# Altium PCB Cell Characterization Board V1.1.PcbDoc (part 1 of 2) (continued)
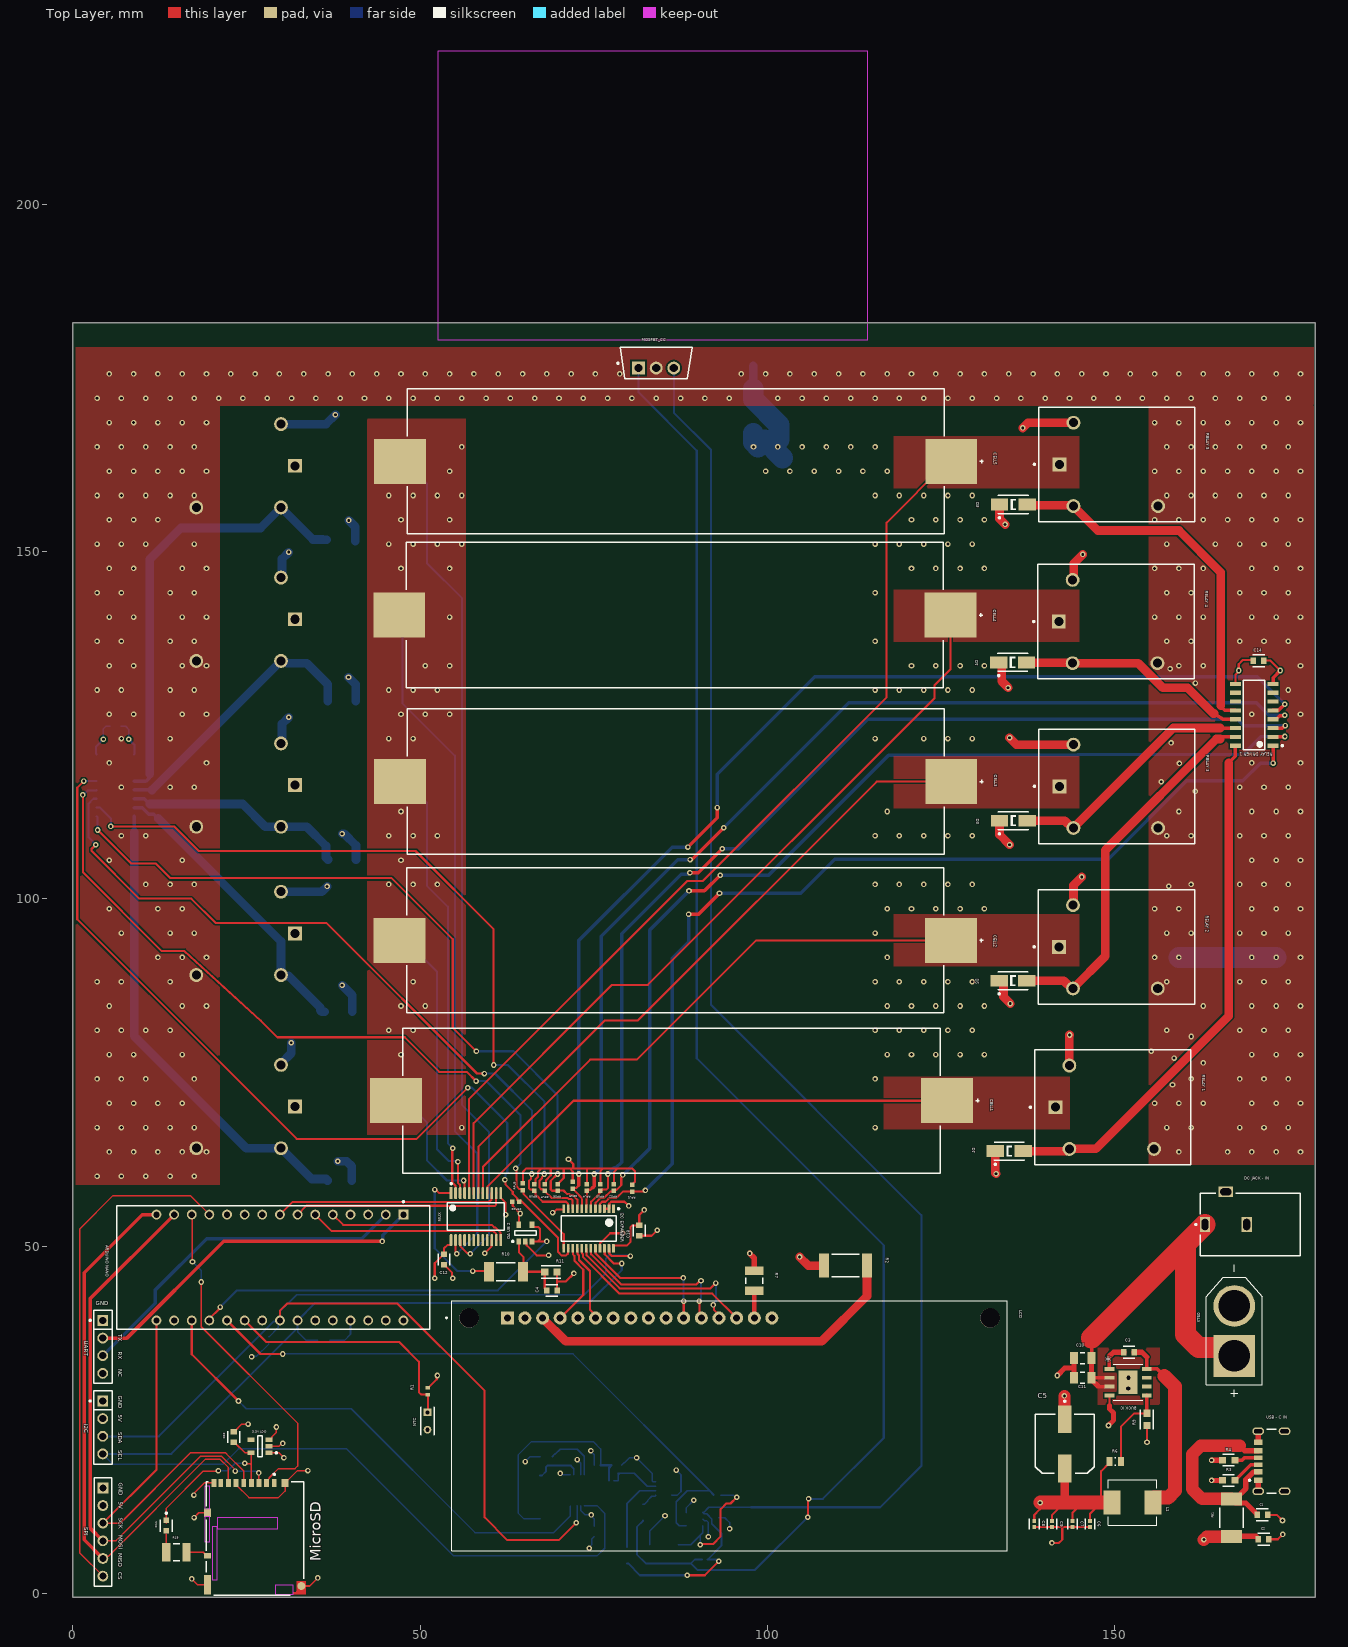
[diagram p0: Top Layer view]
## Components (designator, comment, footprint, x,y, rotation, side; value= is the part's Value field where it differs from the comment) (continued)
NTC "NXRT15XH103FA1B030" FP-NXR_151B030-MFG 51.079,24.816 r270 top
"OA CC SINK" "TLV9162IDDFR" SOT65P280X110-8N 85.097,15.091 r0 bottom
"OA I_SENSE" "MCP6001UT-E/OT" SOT-23-OT5_L 89.506,10.697 r180 bottom
"OA UB 1" "TLV9162IDDFR" SOT65P280X110-8N 78.185,15.091 r90 bottom
"OA UB 2" "MCP6001UT-E/OT" SOT-23-OT5_L 65.171,51.879 r90 top
R1 "2K2 5% 0402(1005)" RESC0402(1005)_N 51.13,29.108 r90 top value="2200.00 Ohm"
R2 "1K3 5% 2512(6432)" RESC2512(6432)_M 111.252,47.193 r0 top value="1300.00 Ohm"
R3 "CPF0603B10K7E" FP-CPF0603-MFG 166.424,16.272 r0 top value=10.7KΩ
R4 "CPF0603B10K7E" FP-CPF0603-MFG 166.424,19.172 r0 top value=10.7KΩ
R5 "Resistor 4k7 +/-1% 0402 100 mW" RESC1005X40X25ML05T05 28.245,36.424 r270 bottom value=4.7k
R6 "523K 1% 0805(2012)" RESC0805(2012)_L 150.098,19.004 r180 top value="523000.00 Ohm"
R7 "CRCW1210220RJNTA" RESC3225X60X45NL20T20 98.124,45.009 r270 top
R8 "Resistor 4k7 +/-1% 0402 100 mW" RESC1005X40X25ML05T05 36.144,36.424 r0 bottom value=4.7k
R9 "AC0603JR-7W10KL" FP-AC0603-IPC_A 154.633,25.047 r90 top
R10 "7K5 1% 2010(5025)" RESC2010(5025)_M 62.357,46.304 r180 top value="7500.00 Ohm"
R11 "AC0603JR-7W10KL" FP-AC0603-IPC_A 68.838,46.264 r180 top
R12 "AC0603JR-7W10KL" FP-AC0603-IPC_A 68.152,19.689 r0 bottom
R13 "RNCP1206FTD100R" FP-RNCP1206-IPC_C 82.118,11.659 r270 bottom
R14 "CRCW251218K0FKEG" FP-CRCW2512-e3-MFG 67.275,13.871 r90 bottom
R15 "RNCP1206FTD100R" FP-RNCP1206-IPC_C 79.786,5.491 r270 bottom
R16 "10K2 1% 0402(1005)" RESC0402(1005)_N 92.79,14.152 r180 bottom value="10200.00 Ohm"
R17 "RN73R1ETTP2001F25" FP-RN73R1E-IPC_B 75.536,18.444 r0 bottom
R18 "1K2 1% 1812(4532)" RESC1812(4532)_L 85.097,6.985 r0 bottom value="1200.00 Ohm"
R19 "120" RESC3225X60X45NL20T20 14.933,5.918 r180 top
"RELAY 1" "G5LE-1A DC5" FP-G5LE-1A_DC5-MFG 149.73,69.994 r0 top
"RELAY 2" "G5LE-1A DC5" FP-G5LE-1A_DC5-MFG 150.263,93.082 r0 top
"RELAY 3" "G5LE-1A DC5" FP-G5LE-1A_DC5-MFG 150.314,116.192 r0 top
"RELAY 4" "G5LE-1A DC5" FP-G5LE-1A_DC5-MFG 150.212,139.92 r0 top
"RELAY 5" "G5LE-1A DC5" FP-G5LE-1A_DC5-MFG 150.314,162.543 r0 top
"RELAY 6" "G5LE-1A DC5" FP-G5LE-1A_DC5-MFG 23.739,70.093 r180 bottom
"RELAY 7" "G5LE-1A DC5" FP-G5LE-1A_DC5-MFG 23.739,95.021 r180 bottom
"RELAY 8" "G5LE-1A DC5" FP-G5LE-1A_DC5-MFG 23.739,116.373 r180 bottom
"RELAY 9" "G5LE-1A DC5" FP-G5LE-1A_DC5-MFG 23.739,140.248 r180 bottom
"RELAY 10" "G5LE-1A DC5" FP-G5LE-1A_DC5-MFG 23.739,162.342 r180 bottom
"RELAY DRIVER 1" "ULN2003V12DR" FP-D0016A-MFG 170.096,126.492 r180 top
"RELAY DRIVER 2" "ULN2003V12DR" FP-D0016A-MFG 6.147,116.307 r0 bottom
RPU1 "Resistor 4k7 +/-1% 0402 100 mW" RESC1005X40X25ML05T05 80.522,58.347 r90 top value=4.7k
RPU2 "Resistor 4k7 +/-1% 0402 100 mW" RESC1005X40X25ML05T05 77.9,58.437 r90 top value=4.7k
RPU3 "Resistor 4k7 +/-1% 0402 100 mW" RESC1005X40X25ML05T05 75.961,58.437 r90 top value=4.7k
RPU4 "Resistor 4k7 +/-1% 0402 100 mW" RESC1005X40X25ML05T05 74.031,58.437 r90 top value=4.7k
RPU5 "Resistor 4k7 +/-1% 0402 100 mW" RESC1005X40X25ML05T05 71.986,58.738 r90 top value=4.7k
RPU6 "Resistor 4k7 +/-1% 0402 100 mW" RESC1005X40X25ML05T05 69.8,58.437 r90 top value=4.7k
RPU7 "Resistor 4k7 +/-1% 0402 100 mW" RESC1005X40X25ML05T05 67.962,58.437 r90 top value=4.7k
RPU8 "Resistor 4k7 +/-1% 0402 100 mW" RESC1005X40X25ML05T05 66.446,58.437 r270 top value=4.7k
RPU9 "Resistor 4k7 +/-1% 0402 100 mW" RESC1005X40X25ML05T05 64.821,58.527 r270 top value=4.7k
RPU10 "Resistor 4k7 +/-1% 0402 100 mW" RESC1005X40X25ML05T05 63.765,56.382 r0 top value=4.7k
SHUNT "CRA2512-FZ-R050ELF" FP-CRA2512-IPC_A 94.996,176.733 r0 bottom
SPI "TSW-106-07-G-S" SMTC-TSW-106-07-X-S 4.343,15.186 r270 top
UART "TSW-104-23-T-S" FP-TSW-104-23-T-S-MFG 4.328,35.495 r270 top
"USB - C IN" "USB4125-GF-A-0190" FP-USB4125-GF-A-0190-MFG 173.674,19.022 r90 top
XT60 "XT60-M" AMASS_XT60-M 167.24,37.785 r90 top

## Footprints (in the part's own frame and the unit in brackets; to place one, negate y for a bottom-side part, rotate by r counter-clockwise, add the part's x,y. Pads: shape width x height; smd on the part's side, far side on the other; paste and mask are expansions set on the pad)
AMASS_XT60-M [mm]
  round 6 hole 4.55: N(3.6,0)
  rect 6x6 / inner round 6 / far side rect 6x6 hole 4.55: P(-3.6,0)
  silkscreen extent -9.5,-4.05 9.5,4.05, body extent -7.75,-4.05 7.75,4.05, height 16
CUI-PJ-102BH_V [mm] "THD, 3-Leads, Body 14.4x9mm, Height 11mm"
  rect 1.5x2.1 hole 1 slot 1.6 at 90 deg: 1(-3,0) 2(3,0)
  rect 2.1x1.5 hole 1 slot 1.6 at 0 deg: 3(0,4.7)
  silkscreen extent -4.42,-4.5 10.7,4.5, body extent -3.7,-4.5 10.7,4.9, height 11
DGS10_TEX [mil]
  rect 52.5x11 smd paste+0 mask+0: 1(-87.25,39.37) 2(-87.25,19.69) 3(-87.25,0) 4(-87.25,-19.68) 5(-87.25,-39.37) 6(87.25,-39.37) 7(87.25,-19.68) 8(87.25,0) 9(87.25,19.69) 10(87.25,39.37)
  silkscreen extent -66,-66 134,66, body extent -99,-61 99,61, height 43
DIOD-S1M-13-F-SMA-2_V [mm] "SMD, 2-Leads, Body 4.3x2.605mm, Height 2.3mm"
  rect 2.5x1.7 smd: 1(-2,0) 2(2,0)
  silkscreen extent -2.15,-1.3 2.15,2.03, body extent -2.15,-1.3 2.15,1.3, height 2.3
FP-1042P-MFG [mil]
  rect 294x255 smd paste+0 mask+0: 1(-1562.5,0) 2(1562.5,0)
  silkscreen extent -1522,-412 1745,412, body extent -1693,-407 1693,406, height 595
FP-A000005-MFG [mil]
  rect 55.67x55.67 hole 35.98 paste-99999 mask+0: 1(-300,737.5)
  round 55.67 hole 35.98 paste-99999 mask+0: 2(-300,637.5) 3(-300,537.5) 4(-300,437.5) 5(-300,337.5) 6(-300,237.5) 7(-300,137.5) 8(-300,37.5) 9(-300,-62.5) 10(-300,-162.5) 11(-300,-262.5) 12(-300,-362.5) 13(-300,-462.5) 14(-300,-562.5) 15(-300,-662.5) 16(300,-662.5) 17(300,-562.5) 18(300,-462.5) 19(300,-362.5) 20(300,-262.5) 21(300,-162.5) 22(300,-62.5) 23(300,37.5) 24(300,137.5) 25(300,237.5) 26(300,337.5) 27(300,437.5) 28(300,537.5) 29(300,637.5) 30(300,737.5)
  silkscreen extent -379,-888 350,888, body extent -354,-891 354,891, height 10
FP-AC0603-IPC_A [mm]
  rect 1.059x1.012 smd paste+0 mask+0: 1(-0.877,0) 2(0.877,0)
  silkscreen extent -1.41,-0.91 1.41,0.91, body extent -1.91,-1.01 1.91,1.01, height 0.25
FP-C0402-BB-MFG [mm]
  rect 0.52x0.52 smd paste+0 mask+0: 1(-0.4,0) 2(0.4,0)
  silkscreen extent -0.5,-0.64 0.5,0.64, body extent -0.5,-0.25 0.5,0.25, height 0.55
FP-CC0603-DA-MFG [mm]
  rect 0.8x0.9 smd paste+0 mask+0: 1(-0.75,0) 2(0.75,0)
  silkscreen extent -0.85,-0.85 0.85,0.85, body extent -1.35,-0.75 1.35,0.75, height 0.25
FP-CL31-IPC_C [mm]
  rect 1.154x1.706 smd paste+0 mask+0: 1(-1.276,0) 2(1.276,0)
  silkscreen extent -0.32,-0.8 0.32,0.8, body extent -1.95,-1 1.95,1, height 0.25
FP-CPF0603-MFG [mm]
  rect 1x0.9 smd paste+0 mask+0: 1(-0.9,0) 2(0.9,0)
  silkscreen extent -0.82,-0.82 0.82,0.82, body extent -1.5,-0.55 1.5,0.55, height 0.25
FP-CRA2512-IPC_A [mm]
  rect 1.756x3.506 smd paste+0 mask+0: 1(-2.975,0) 2(2.975,0)
  silkscreen extent -1.8,-1.75 1.8,1.75, body extent -3.2,-1.6 3.2,1.6, height 0.9
FP-CRCW2512-e3-MFG [mm]
  rect 1.45x3.5 smd paste+0 mask+0: 1(-3.1,0) 2(3.1,0)
  silkscreen extent -2,-1.65 2,1.65, body extent -3.15,-1.58 3.15,1.58, height 0.7
FP-D0016A-MFG [mm]
  rect 1.55x0.6 smd paste-1000 mask+0: 1(-2.7,4.445) 2(-2.7,3.175) 3(-2.7,1.905) 4(-2.7,0.635) 5(-2.7,-0.635) 6(-2.7,-1.905) 7(-2.7,-3.175) 8(-2.7,-4.445) 9(2.7,-4.445) 10(2.7,-3.175) 11(2.7,-1.905) 12(2.7,-0.635) 13(2.7,0.635) 14(2.7,1.905) 15(2.7,3.175) 16(2.7,4.445)
  silkscreen extent -4.18,-5 1.55,5, body extent -3.57,-5.25 3.57,5.25, height 0.25
FP-DB0024A-IPC_C [mm]
  rect 1.753x0.415 smd paste+0 mask+0: 1(-3.375,-3.575)
  rrect100% 1.753x0.415 smd paste+0 mask+0: 2(-3.375,-2.925) 3(-3.375,-2.275) 4(-3.375,-1.625) 5(-3.375,-0.975) 6(-3.375,-0.325) 7(-3.375,0.325) 8(-3.375,0.975) 9(-3.375,1.625) 10(-3.375,2.275) 11(-3.375,2.925) 12(-3.375,3.575) 13(3.375,3.575) 14(3.375,2.925) 15(3.375,2.275) 16(3.375,1.625) 17(3.375,0.975) 18(3.375,0.325) 19(3.375,-0.325) 20(3.375,-0.975) 21(3.375,-1.625) 22(3.375,-2.275) 23(3.375,-2.925) 24(3.375,-3.575)
  silkscreen extent -4.88,-4.1 2,4.1, body extent -3.9,-4.1 3.9,4.1, height 2
FP-DM3AT-SF-PEJM5_40-MFG [mm]
  rect 0.7x1.2 smd paste+0 mask+0: 1(2.775,7.975) 2(1.675,7.975) 3(0.575,7.975) 4(-0.525,7.975) 5(-1.625,7.975) 6(-2.725,7.975) 7(-3.825,7.975) 8(-4.925,7.975) 9(-5.875,7.975)
  rect 1x0.8 smd paste+0 mask+0: 10(-6.825,-2.525)
  rect 1x1.2 smd paste+0 mask+0: 11(4.325,7.975) 12(-6.825,3.675)
  rect 1x2.8 smd paste+0 mask+0: 13(-6.825,-6.675)
  round 1.145 smd paste+0 mask+0: 14(6.689,-6.861)
  Top Layer region: 6.025,-6.175 7.325,-6.175 7.325,-8.075 5.475,-8.075 5.475,-7.725 5.875,-7.725 6.025,-7.575 6.025,-6.175
  Keep-Out Layer region: -7.225,4.275 -6.475,4.275 -6.475,7.525 -7.225,7.525
  Keep-Out Layer region: -7.225,-0.525 -6.475,-0.525 -6.475,3.075 -7.225,3.075
  Keep-Out Layer region: -6.125,-5.925 -5.425,-5.925 -5.425,1.675 -6.125,1.675
  Keep-Out Layer region: -5.425,1.375 3.275,1.375 3.275,2.975 -5.425,2.975
  Keep-Out Layer region: 2.925,-8.075 5.475,-8.075 5.475,-6.725 2.925,-6.725
  silkscreen extent -7.02,-8.18 7.02,9.35, body extent -7.42,-8.27 7.42,8.67, height 0.25
FP-FTF-MFG [mm]
  rect 4x2 smd paste+0 mask+0: 1(-3.55,0) 2(3.55,0)
  silkscreen extent -6.27,-4.25 4.25,4.25, body extent -5.8,-4.5 5.8,4.5, height 0.25
FP-G5LE-1A_DC5-MFG [mm]
  rect 2x2 hole 1.3 paste-2539.97 mask+0: 1(-8.25,0)
  round 2 hole 1.3 paste-2539.97 mask+0: 2(-6.25,-6) 3(5.95,-6) 5(-6.25,6)
  silkscreen extent -11.97,-8.25 11.25,8.25, body extent -10.8,-7.8 10.8,7.8, height 19
FP-GRM155-0_1-IPC_B [mm]
  rect 0.615x0.572 smd paste+0 mask+0: 1(-0.429,0) 2(0.429,0)
  silkscreen extent -0.74,-0.69 0.74,0.69, body extent -0.89,-0.44 0.89,0.44, height 0.25
FP-LTST-C190GKT-MFG [mm]
  rect 0.8x0.8 smd paste+0 mask+0: 1(-0.75,0) 2(0.75,0)
  silkscreen extent -1.92,-0.85 0.85,0.85, body extent -1.25,-0.55 1.25,0.55, height 0.25
FP-NXR_151B030-MFG [mm]
  rect 1.1x1.1 hole 0.6 paste-2539.97 mask+0: 1(-1.25,0)
  round 1.1 hole 0.6 paste-2539.97 mask+0: 2(1.25,0)
  silkscreen extent -2,-1 2,1, body extent -2.1,-1.1 2.1,1.1, height 0.25
FP-PG-TO220-3-MFG [mm]
  rect 1.85x1.85 hole 1.2 paste-2539.97 mask+0: 1(-0.705,2.54)
  round 1.85 hole 1.2 paste-2539.97 mask+0: 2(-0.705,0) 3(-0.705,-2.54)
  silkscreen extent -2.27,-5.2 2.27,5.62, body extent -2.37,-5.55 2.37,5.55, height 0.25
FP-RN73R1E-IPC_B [mm]
  rect 0.588x0.572 smd paste+0 mask+0: 1(-0.464,0) 2(0.464,0)
  silkscreen extent -0.76,-0.69 0.76,0.69, body extent -0.5,-0.25 0.5,0.25, height 0.4
FP-RNCP1206-IPC_C [mm]
  rect 1.254x1.606 smd paste+0 mask+0: 1(-1.176,0) 2(1.176,0)
  silkscreen extent -0.25,-0.85 0.25,0.85, body extent -1.55,-0.75 1.55,0.75, height 0.65
FP-SOT23-5LD-PL-1-MFG [mm]
  rect 1x0.66 smd paste+0 mask+0: 1(-1.3,0.95) 2(-1.3,0) 3(-1.3,-0.95) 4(1.3,-0.95) 5(1.3,0.95)
  silkscreen extent -2.48,-1.5 0.35,1.5, body extent -1.9,-1.6 1.9,1.6, height 0.25
FP-TSW-104-23-T-S-MFG [mm]
  rect 1.57x1.57 hole 1.02 paste-2539.97 mask+0: 1(-3.81,0)
  round 1.57 hole 1.02 paste-2539.97 mask+0: 2(-1.27,0) 3(1.27,0) 4(3.81,0)
  silkscreen extent -5.27,-1.95 5.27,1.34, body extent -5.37,-1.44 5.37,1.44, height 0.25
FP-USB4125-GF-A-0190-MFG [mm]
  rrect100% 1.1x1.7 hole 1.2 slot 0.6 at 0 deg paste-2539.97 mask+0: 1(-4.32,3) 2(4.32,3) 3(-4.32,-0.8) 4(4.32,-0.8)
  rect 0.7x1.2 smd paste+0 mask+0: A5(-0.5,3) B5(0.5,3)
  rect 0.76x1.2 smd paste+0 mask+0: A9(1.52,3) B9(-1.52,3)
  rect 0.8x1.2 smd paste+0 mask+0: A12(2.75,3) B12(-2.75,3)
  silkscreen extent -4.59,0.43 4.59,4.37, body extent -4.97,-3.57 4.97,3.95, height 0.25
IND_MGAH06036R8M-10 [mm]
  rect 2.45x3.5 smd: 1(-2.925,0) 2(2.925,0)
  silkscreen extent -3.5,-3.3 3.5,3.3, body extent -3.5,-3.3 3.5,3.3, height 3.1
MODULE_LCD-16X2 [mil]
  rect 74x74 / inner round 74 / far side rect 74x74 hole 40: 1(-1259.84,610.24)
  round 74 hole 40: 2(-1159.84,610.24) 3(-1059.84,610.24) 4(-959.84,610.24) 5(-859.84,610.24) 6(-759.84,610.24) 7(-659.84,610.24) 8(-559.84,610.24) 9(-459.84,610.24) 10(-359.84,610.24) 11(-259.84,610.24) 12(-159.84,610.24) 13(-59.84,610.24) 14(40.16,610.24) 15(140.16,610.24) 16(240.16,610.24)
  round 110.24 hole 110.24 unplated: ""(-1476.38,610.24) ""(1476.38,610.24)
  silkscreen extent -1608,-709 1575,709, body extent -1575,-709 1575,709, height 402
PW0024A_L [mm] "SOP, 24-Leads, Body 7.9x4.5mm, Pitch 0.65mm, IPC High Density"
  rrect25% 1.2x0.4 smd: 1(-2.85,3.575) 2(-2.85,2.925) 3(-2.85,2.275) 4(-2.85,1.625) 5(-2.85,0.975) 6(-2.85,0.325) 7(-2.85,-0.325) 8(-2.85,-0.975) 9(-2.85,-1.625) 10(-2.85,-2.275) 11(-2.85,-2.925) 12(-2.85,-3.575) 13(2.85,-3.575) 14(2.85,-2.925) 15(2.85,-2.275) 16(2.85,-1.625) 17(2.85,-0.975) 18(2.85,-0.325) 19(2.85,0.325) 20(2.85,0.975) 21(2.85,1.625) 22(2.85,2.275) 23(2.85,2.925) 24(2.85,3.575)
  silkscreen extent -2.97,-3.95 1.85,4.45, body extent -3.21,-3.9 3.21,3.9, height 1
RESC0402(1005)_N [mm] "Chip Resistor, Body 1.0x0.5mm, IPC Medium Density"
  rect 0.55x0.65 smd: 1(-0.5,0) 2(0.5,0)
  body extent -0.52,-0.27 0.53,0.28, height 0.4
RESC0805(2012)_L [mm] "Chip Resistor, Body 2.0x1.3mm, IPC High Density"
  rect 0.85x1.3 smd: 1(-0.85,0) 2(0.85,0)
  silkscreen extent -0.05,-0.55 0.05,0.55, body extent -1.1,-0.67 1.1,0.68, height 0.7
RESC1005X40X25ML05T05 [mm] "Chip Resistor, 2-Leads, Body 1.05x0.55mm, IPC Low Density"
  rect 0.65x0.65 smd: 1(-0.5,0) 2(0.5,0)
  body extent -0.53,-0.28 0.53,0.28, height 0.4
RESC1812(4532)_L [mm] "Chip Resistor, Body 4.5x3.2mm, IPC High Density"
  rect 0.95x3.3 smd: 1(-2.05,0) 2(2.05,0)
  silkscreen extent -1.2,-1.55 1.2,1.55, body extent -2.35,-1.7 2.35,1.7, height 0.71
RESC2010(5025)_M [mm] "Chip Resistor, Body 5.0x2.5mm, IPC Low Density"
  rect 1.45x2.8 smd: 1(-2.45,0) 2(2.45,0)
  silkscreen extent -1.35,-1.3 1.35,1.3, body extent -2.6,-1.35 2.6,1.35, height 0.71
RESC2512(6432)_M [mm] "Chip Resistor, Body 6.4x3.2mm, IPC Low Density"
  rect 1.45x3.45 smd: 1(-3.1,0) 2(3.1,0)
  silkscreen extent -2,-1.63 2,1.63, body extent -3.25,-1.7 3.25,1.7, height 0.75
RESC3225X60X45NL20T20 [mm] "Chip Resistor, 2-Leads, Body 3.20x2.50mm, IPC Medium Density"
  rect 1.2x2.7 smd: 1(-1.45,0) 2(1.45,0)
  silkscreen extent -0.45,-1.25 0.45,1.25, body extent -1.7,-1.35 1.7,1.35, height 0.6
SMTC-TSW-106-07-X-S [mm] ".025 SQ Post Terminal Strip Assembly, 1x6 Pins, Vertical, 2.54mm Pitch, Male"
  rect 1.55x1.55 hole 1.02: 1(0,0)
  round 1.55 hole 1.02: 2(2.54,0) 3(5.08,0) 4(7.62,0) 5(10.16,0) 6(12.7,0)
  silkscreen extent -1.46,-1.27 14.16,1.27, body extent -1.27,-1.24 13.97,1.3, height 8.38
SO-8EP_DIO [mil]
  rect 56x22 smd paste+0 mask+0: 1(-106,75) 2(-106,25) 3(-106,-25) 4(-106,-75) 5(106,-75) 6(106,-25) 7(106,25) 8(106,75)
  rect 107x132 smd paste-65.5 mask+0: 9(0,0)
  silkscreen extent -83,-102 83,102, body extent -120,-97 120,97, height 64
SOT65P280X110-8N [mm]
  rrect15% 1.37x0.49 smd mask+0: 1(-1.15,0.975) 2(-1.15,0.325) 3(-1.15,-0.325) 4(-1.15,-0.975) 5(1.15,-0.975) 6(1.15,-0.325) 7(1.15,0.325) 8(1.15,0.975)
  silkscreen extent -2.6,-1.54 0.8,1.54, body extent -1.4,-1.45 1.4,1.45, height 1.1
SOT-23-OT5_L [mm] "SOT23, 5-Leads, Body 2.9x1.7mm, Pitch 0.95mm, Lead Span 2.8mm, IPC High Density"
  rect 0.9x0.65 smd: 1(-1.2,0.95) 2(-1.2,0) 3(-1.2,-0.95) 4(1.2,-0.95) 5(1.2,0.95)
  silkscreen extent -1.33,-1.55 0.35,1.95, body extent -0.9,-1.55 0.9,1.55, height 1.45
WE-CBF_1812_L4.5W3.2H1.5_HC [mm] "SMD EMI Suppression Ferrite  Bead, body 4.50x3.20mm"
  rect 1.9x3 smd: 1(-2.7,0) 2(2.7,0)
  silkscreen extent -1.45,-1.7 1.45,1.7, body extent -2.25,-1.6 2.25,1.6, height 1.5

## Part data
"3.3V LDO": library part CMP-2000-07604-2, "IC REG LINEAR 3.3V 300MA SOT23-5", Case/Package=SOT-23-5, Dropout Voltage=380mV, Max Input Voltage=5.5V, Max Operating Temperature=125°C, Max Output Current=300mA, Min Input Voltage=2.5V, Min Operating Temperature=-40°C, Nominal Output Voltage=3.3V, Operating Supply Current=42uA, Power Supply Rejection Ratio (PSRR)=60dB, Quiescent Current=38uA, Accuracy=3%, Height=1.1mm, Length=2.9mm, Mount="Surface Mount", Number Of Outputs=1, Number of Pins=5, Output Current=300mA, Output Type=Fixed, Output Voltage=3.3V, Packaging="Tape and Reel", REACH SVHC="No SVHC", Width=1.6mm
"ARDUINO NANO": library part CMP-189986-000002-1, "ARDUINO NANO ATMEGA328 EVAL BRD", Operating Supply Voltage=12V, Package Quantity=50, Core Architecture=AVR, Data Bus Width=8b, Evaluation Kit=Yes, Height=0.25inch, Interface=I2C, Length=7inch, Number of Bits=8, Packaging=Bulk, REACH SVHC="No SVHC", Series="AVR® ATmega", Weight=0.358383oz, Width=5inch
"BUCK IC": "Description", Manufacturer_Name="Diodes Inc", Copyright="Copyright (C) 2025 Ultra Librarian. All rights reserved.", Manufacturer_Part_Number=AP64502QSP-13, RefDes=RefDes, Type=Type
C1 C2: library part CMP-03422-000468-1, "CAP CER 0.1UF 50V X7R 0603", Capacitance="100 nF", Manufacturer=YAGEO, Manufacturer Part Number=CC0603KPX7R9BB104, Package=CC0603-DA, Temperature="-55°C to +125°C", Temperature Characteristic=X7R, Temperature Coefficient=15%, Temperature Range High=+125°C, Temperature Range Low=-55°C, Tolerance=0.1, Voltage="50 V", Automotive=No, Category=Cap, ComponentLink2Description=Datasheet, ComponentLink2URL=http://www.yageo.com/documents/recent/UPY-GPHC_X7R_6.3V-to-50V_18.pdf, Device Class L1="Passive Components", Device Class L2=Capacitors, Device Class L3="Ceramic Capacitors", Digikey Description="CAP CER 0.1UF 50V X7R 0603", Footprint Url=http://www.yageo.com/exep/pages/download/literatures/UPY-C_GEN_24.pdf, Height=0.9mm, Lead Free=Yes, Material=Ceramic, Mouser Description="Multilayer Ceramic Capacitors MLCC - SMD/SMT 100nF 50V X7R 10%", Octopart=https://octopart.com/cc0603kpx7r9bb104-yageo-12885113, RoHS=TRUE, Voltage Rating="50 V"
C3 C4 C12 C14 C15 C16 C17 C18 C19 C20: library part CMP-03422-000468-1, "CAP CER 0.1UF 50V X7R 0603", Capacitance="100 nF", Manufacturer=YAGEO, Package=CC0603-DA, Temperature="-55°C to +125°C", Temperature Characteristic=X7R, Temperature Coefficient=15%, Temperature Range High=+125°C, Temperature Range Low=-55°C, Tolerance=0.1, Voltage="50 V", Automotive=No, Category=Cap, ComponentLink2Description=Datasheet, ComponentLink2URL=http://www.yageo.com/documents/recent/UPY-GPHC_X7R_6.3V-to-50V_18.pdf, Device Class L1="Passive Components", Device Class L2=Capacitors, Device Class L3="Ceramic Capacitors", Digikey Description="CAP CER 0.1UF 50V X7R 0603", Footprint Url=http://www.yageo.com/exep/pages/download/literatures/UPY-C_GEN_24.pdf, Height=0.9mm, Lead Free=Yes, Manufacturer Part Number=CC0603KPX7R9BB104, Material=Ceramic, Mouser Description="Multilayer Ceramic Capacitors MLCC - SMD/SMT 100nF 50V X7R 10%", Octopart=https://octopart.com/cc0603kpx7r9bb104-yageo-12885113, RoHS=TRUE, Voltage Rating="50 V"
C5: library part CMP-05427-002180-1, "CAP ALUM 220UF 20% 50V SMD", Capacitance=220uF, Case/Package=Radial, ESR (Equivalent Series Resistance)=180mR, Max Operating Temperature=105°C, Min Operating Temperature=-55°C, Ripple Current=435.5mA, Ripple Current (AC)=670mA, Tolerance=20%, Voltage Rating=50V, Diameter=8mm, Height=10.2mm, Height - Seated (Max)=0.413inch, Life (Hours)=5000Hour, Mount="Surface Mount", Packaging="Cut Tape", Polarity=Polar, Reach SVHC Compliant=Yes, RoHS Compliant=Yes, Voltage Rating (DC)=50V
C6 C7 C8 C9: library part CMP-06035-008741-1, "Chip Multilayer Ceramic Capacitors for General Purpose, 0402, 0.47uF, X5R, 15%, 10%, 50V", Capacitance=470nF, Dielectric=X5R, Tolerance=10%, Voltage Rating (DC)=50V, Length=1mm, Thickness=500um, Width=500um
C10 C11: library part CMP-13271-000016-1, "CAP CER 10UF 50V X5R 1206", Capacitance=10uF, Manufacturer=Samsung, Package=CL31, Temperature="-55°C to +85°C", Temperature Characteristic=X5R, Temperature Coefficient=15%, Temperature Range High=+85°C, Temperature Range Low=-55°C, Tolerance=10%, Voltage=50V, Automotive=No, Category=Cap, ComponentLink2Description=Datasheet, ComponentLink2URL=http://www.samsungsem.com/kr/support/product-search/mlcc/__icsFiles/afieldfile/2018/06/21/CL31A106KBHNNNE.pdf, Device Class L1="Passive Components", Device Class L2=Capacitors, Device Class L3="Ceramic Capacitors", Digikey Description="CAP CER 10UF 50V X5R 1206", Height=1.8mm, Ipc Land Pattern Name=CAPC320160X160, Lead Free=Yes, Manufacturer Part Number=CL31A106KBHNNNE, Material=Ceramic, Octopart=https://octopart.com/cl31a106kbhnnne-samsung-19832778, RoHS=TRUE, Voltage Rating=50V
C13: library part CMP-03020-001805-1, "C0402 10,000 pF X7R 5.00% 25 V", Capacitance="10,000 pF", Manufacturer=Kemet, Package=C0402-BB, Temperature="-55°C to +125°C", Temperature Characteristic=X7R, Temperature Coefficient=15%, Temperature Range High=+125°C, Temperature Range Low=-55°C, Tolerance=0.05, Voltage Rating="25 V", Automotive=No, Category=Cap, ComponentLink2Description=Datasheet, ComponentLink2URL=https://content.kemet.com/datasheets/KEM_C1002_X7R_SMD.pdf, Device Class L1="Passive Components", Device Class L2=Capacitors, Device Class L3="Ceramic Capacitors", Height=0.55mm, Ipc Land Pattern Name=CAPC10050X50, Lead Free=Yes, Manufacturer Part Number=C0402C103J3RACAUTO, Material=Ceramic, Mouser Description="Cap Ceramic 0.01uF 25V X7R 5% SMD 0402 125°C Paper T/R", Octopart=https://octopart.com/c0402c103j3racauto-kemet-95437015, RoHS=TRUE
CELL1 CELL2 CELL3 CELL4 CELL5 CELL6 CELL7 CELL8 CELL9 CELL10: library part CMP-19636-000019-1, "BATTERY HOLDER 18650 SMD TAB", Max Operating Temperature=145°C, Min Operating Temperature=-50°C, Package Quantity=200, Lead Free="Lead Free", Mount="Surface Mount", Number of Cells=1, Packaging=Tray, Termination=SMD/SMT
D1 D2 D3 D4 D5 D6 D7 D8 D9 D10: library part CMP-0639-00001-1, "Surface Mount Glass Passivated Rectifier, 1000V, 1 A, -65 to 125 degC, 2-Pin SMA Package, RoHS, Tape and Reel", Forward Voltage Drop VF (V)=1.1, Manufacturer="Diodes Inc", Maximum Average Rectified Current IO (A)=1, Maximum Peak Forward Surge Current IFSM (A)=30, Maximum Reverse Current IR (uA)=5, Operating Temperature Range="-65 to 150 degC", Peak Repetitive Reverse Voltage VRRM (V)=1000, Total Capacitance CT (pF)=10, ComponentLink1Description="Manufacturer URL", ComponentLink1URL=http://www.diodes.com/, ComponentLink2Description=Datasheet, ComponentLink2URL=http://diodes.com/datasheets/ds16003.pdf, ComponentLink3Description="Package Specification", ComponentLink3URL=http://diodes.com/datasheets/ds16003.pdf, DatasheetVersion="Rev. 22 - 2", Mounting Technology="Surface Mount", PackageDescription="2-Pin SMD, Body 4.3 x 2.605 mm, Height 2.3 mm", PackageReference=S1M-13-F-SMA-2, PackageVersion="Rev. 22 - 2", Packing="Tape and Reel", PartNumber=S1M-13-F, RoHS=TRUE
D11: library part CMP-22017-000005-2, "LED GREEN CLEAR CHIP SMD", Case Code (Imperial)=0603, Case Code (Metric)=1608, Color=Green, Forward Current=30mA, Forward Voltage=2.1V, Lens Color=Colorless, Max Operating Temperature=85°C, Min Operating Temperature=-55°C, Package Quantity=1, Power Dissipation=100mW, Reverse Voltage=5V, Test Current=10mA, Voltage=2V, Case/Package=0603, Depth=0.8mm, Dominant Wavelength=569nm, Height=0.8mm, Illumination Color=Green, Lead Free="Lead Free", Length=1.6mm, Lens Style=Clear, Lens Transparency=Clear, Luminous Intensity=6mcd, Mount="Surface Mount", Number of Elements=1, Number of LEDs=1, Number of Pins=2, Packaging="Tape and Reel", Power Rating=100mW, Radiation Hardening=No, Viewing Angle=130°, Wavelength=565nm, Width=0.8mm
DAC: "True 12-bit, 1-ch, SPI/I2C, voltage-output DAC in WSON package with precision internal reference 10-VSSOP -40 to 125", Manufacturer_Name="Texas Instruments", Copyright="Copyright (C) 2025 Ultra Librarian. All rights reserved.", Manufacturer_Part_Number=DAC60501ZDGSR, RefDes=RefDes, Type=Type
"DC JACK - IN": library part CMP-2000-06901-1, "Through Hole Right Angle DC Power Jack, 5 A, 2.5 mm Center Pin, 3 Position, -25 to 85 degC, RoHS, Bulk", Current Rating=5A, Flammability Rating=UL94V-0, Insulation Resistance=100MOhms, Manufacturer=CUIInc., Operating Temperature Range=-25Cto+85C, Package Description="3-Pin Through Hole Device, Body 14.4 x 9 mm, Height 11 mm", Voltage Rating=24V, Brand=CUI, Connector Type=DCPowerJack, Contact Gender=Male, Contact Material=Copper, Contact Plating=Nickel, Datasheet URL=http://www.cui.com/product/resource/pj-102bh.pdf, Datasheet Version="Rev. 1.02, 05/2016", Factory Pack Quantity=280, Housing Material=PolybutyleneTerephthalate(PBT), Inside Contact Diameter=2.5mm, Manufacturer URL=http://www.cui.com/, Mounting Angle=Right, Mounting Style=ThroughHole, Mounting Technology=ThroughHole, Outside Contact Diameter=6.5mm, Package Reference=PJ-102BH, Product=Jacks, Product Category=DCPowerConnectors, RoHS=True, Termination Style=ThroughHole
FB1: library part CMP-0220-00090-2, Current Rating=4A, Max Operating Temperature=125°C, Min Operating Temperature=-55°C, Resistance=35mΩ, Height=1.5mm, Impedance=680Ω, Length=4.5mm, NexarPartId=22803153, Packaging="Cut Tape", RoHS=Compliant, Width=3.2mm
I2C UART: library part CMP-02766-001388-1, "CONN HEADER VERT 4POS 2.54MM", Color=Black, Max Current Rating=7.6A, Max Operating Temperature=105°C, Max Voltage Rating (AC)=550V, Min Operating Temperature=-55°C, Package Quantity=1, Connector Type="Male Pin", Contact Material=Bronze, Contact Mating Length=0.23inch, Contact Plating=Tin, Contact Type="Male Pin", Depth=2.54mm, Gender=Male, Housing Color=Black, Housing Material=Polyester, Lead Free="Lead Free", Length=10.16mm, Mount="Through Hole", Number of Contacts=4, Number of Positions=4, Number of Rows=1, Orientation=Straight, Packaging=Bulk, Pitch=2.54mm, Radiation Hardening=No, REACH SVHC="No SVHC", RoHS Compliant=Yes, Series=TSW, Termination=Solder, Width=2.54mm
"I2C EXPANDER": library part CMP-0314-00318-2, "Remote 16-Bit I2C and SMBus I/O Expander with Interrupt Output, 2.5 to 5.5 V, -40 to 85 degC, 24-pin TSSOP (PW), Green (RoHS & no Sb/Br)", Manufacturer="Texas Instruments", Max Frequency(kHz)=400, Voltage Nodes(V)="5.5, 3.6, 2.7, 2.5", # of I/Os=16, Code_JEDEC=MO-153, ComponentLink1Description=Datasheet, ComponentLink1URL=http://www.ti.com/general/docs/lit/getliterature.tsp?genericPartNumber=PCF8575&fileType=pdf, ComponentLink2Description="Package Specification", ComponentLink2URL=http://www.ti.com/litv/pdf/mpds177g, DatasheetVersion=SCPS121D, Eco-Plan="Green (RoHS & no Sb/Br)", fSCLK(Max)(MHz)=0.4, I2C Address="0100 xxx", Interrupt Output=Yes, Mounting Technology="Surface Mount", PackageDescription="24-Pin Thin Small Outline Package 0.65 mm Pitch", PackageReference=PW0024A, PackageVersion="revG, Feb-2011", PartNumber=PCF8575PWR, Push-Pull I/O Type=Yes, Reset Input=No, SubFamily="I2C IO Expander", Vcc range(V)="2.5 to 5.5", VCC(Max)(V)=5.5, VCC(Min)(V)=2.5
L1: library part CMP-006-00023-1, "6.8 ÂµH Shielded Molded Inductor 5 A 50mOhm Max Nonstandard", Case/Package=None, Availability="In Stock", Check_prices=https://www.snapeda.com/parts/MGAH06036R8M-10/Laird/view-part/?ref=eda, Component Type=Standard, Design Item ID=MGAH06036R8M-10, MF="Laird-Signal Integrity Products", MP=MGAH06036R8M-10, Pins=2, Price=None, Purchase-URL=https://pricing.snapeda.com/search/part/MGAH06036R8M-10/?ref=eda, SnapEDA_Link=https://www.snapeda.com/parts/MGAH06036R8M-10/Laird/view-part/?ref=snap, Source=MGAH06036R8M-10.SchLib
LCD: library part CMP-008-000000-1, "Display Development Tools 16x2 Black on Green Char LCD w Backlight", Package=None, Check_prices=https://www.snapeda.com/parts/LCD-16X2/Gravitech/view-part/?ref=eda, Component Type=Standard, Design Item ID=LCD-16X2, MF=Gravitech, MP=LCD-16X2, Pin Count=16, SnapEDA_Link=https://www.snapeda.com/parts/LCD-16X2/Gravitech/view-part/?ref=snap, Source=LCD-16X2.SchLib
MicroSD: library part CMP-11597-000006-1, "CONN MICRO SD R/A PUSH-PUSH SMD", Color=Black, Contact Resistance=100mR, Current Rating=500mA, Flammability Rating="UL94 V-0", Insulation Resistance=1GR, Max Operating Temperature=85°C, Max Voltage Rating (AC)=125V, Min Operating Temperature=-25°C, Package Quantity=400, Connector Type=Connector, Contact Material="Copper Alloy", Contact Plating=Gold, Depth=15.95mm, Gender=Receptacle, Housing Material=Polymer, Lead Free="Lead Free", Length=13.85mm, Mating Cycles=10000, Max Current Rating=500mA, Mount="Surface Mount", Number of Contacts=8, Number of Rows=2, Orientation="Right Angle", Packaging="Tape and Reel", Pitch=1.1mm, Radiation Hardening=No, REACH SVHC="No SVHC", Series=DM3, Termination=Solder, Voltage Rating=125V, Voltage Rating (AC)=125V, Width=13.85mm
MOSFET_CC: library part CMP-32901-000488-1, "MOSFET N-CH 55V 47A TO220AB", Case/Package=TO-220, Continuous Drain Current (ID)=47A, Drain to Source Breakdown Voltage=55V, Drain to Source Resistance=35mR, Gate to Source Voltage (Vgs)=16V, Input Capacitance=1.7nF, Max Operating Temperature=175°C, Max Power Dissipation=110W, Min Operating Temperature=-55°C, Threshold Voltage=2V, Drain to Source Voltage (Vdss)=55V, Element Configuration=Single, Halogen Free="Halogen Free", Height=0.6inch, Lead Free="Lead Free", Length=0.414inch, Max Dual Supply Voltage=55V, Mount="Through Hole", Number of Pins=3, Packaging=Rail/Tube, Power Dissipation=110W, Rds On Max=22mR, REACH SVHC="No SVHC", RoHS Compliant=Yes, Turn-Off Delay Time=26ns, Turn-On Delay Time=11ns, Width=0.185inch
MUX: library part CMP-04892-000038-1, "IC MUX/DEMUX 1X16 24SSOP", Case/Package=SSOP, High Level Output Current=25mA, Max Operating Temperature=125°C, Max Supply Current=8uA, Max Supply Voltage=6V, Min Operating Temperature=-55°C, Min Supply Voltage=2V, On-State Resistance=160R, Package Quantity=2000, Bandwidth=89MHz, Contact Plating=Gold, Height=1.95mm, Lead Free="Lead Free", Length=8.2mm, Logic Function=Multiplexer, Low Level Output Current=25mA, Max Output Current=25mA, Mount="Surface Mount", Number of Bits=16, Number of Channels=1, Number of Circuits=16, Number of Inputs=16, Number Of Outputs=1, Number of Pins=24, Operating Supply Current=8uA, Packaging="Tape and Reel", Polarity=Non-Inverting, Propagation Delay=75ns, Radiation Hardening=No, REACH SVHC="No SVHC", Series=74HC, Supply Type=Single, Termination=SMD/SMT, Turn-Off Delay Time=290ns, Turn-On Delay Time=300ns, Weight=0.006081oz, Width=5.3mm
NTC: library part CMP-06022-001050-1, "Thermistor NTC 10kΩ ±1% 2-Pin Radial Bulk", Max Operating Temperature=125°C, Max Power Dissipation=7.5mW, Min Operating Temperature=-40°C, Package Quantity=500, Resistance=10kR, Resistance Tolerance=1%, Height=2mm, Lead Diameter=0.4mm, Lead Free="Lead Free", Lead Pitch=2.5mm, Length=5mm, Mount="Through Hole", Number of Pins=2, Packaging=Bulk, Power Rating=7.5mW, RoHS Compliant=Yes, Series=NXR, Termination=Radial, Tolerance=1%, Width=4mm
"OA CC SINK" "OA UB 1": library part CMP-014-00004-1, "Dual, 16V, 11MHz, rail-to-rail input and output low-offset-voltage low-noise operational amplifier", Case/Package="SOT-23-THN-8 Texas Instruments", Check_prices=https://www.snapeda.com/parts/TLV9162IDDFR/Texas+Instruments/view-part/?ref=eda, Component Type=Standard, Design Item ID=TLV9162IDDFR, MF="Texas Instruments", MP=TLV9162IDDFR, Pins=8, SnapEDA_Link=https://www.snapeda.com/parts/TLV9162IDDFR/Texas+Instruments/view-part/?ref=snap, Source=TLV9162IDDFR.SchLib
"OA I_SENSE" "OA UB 2": library part CMP-0187-00480-3, "None", Case/Package=SOT-23, Input Bias Current=1pA, Input Offset Voltage (Vos)=4.5mV, Max Operating Temperature=125°C, Max Supply Voltage=6V, Min Operating Temperature=-40°C, Min Supply Voltage=1.8V, Nominal Supply Current=100uA, Operating Supply Voltage=5.5V, Output Current=23mA, Package Quantity=3000, Power Supply Rejection Ratio (PSRR)=86dB, Voltage Gain=112dB, Amplifier Type="GENERAL PURPOSE", Bandwidth=1MHz, Common Mode Rejection Ratio=60dB, Gain Bandwidth Product=1MHz, Height=1.3mm, Input Offset Voltage-Max=4.5mV, Lead Free="Lead Free", Length=3.1mm, Mount="Surface Mount", Number of Amplifiers=1, Number of Channels=1, Number of Circuits=1, Number of Elements=1, Number of Pins=5, Packaging="Tape and Reel", Radiation Hardening=No, REACH SVHC="No SVHC", RoHS Compliant=Yes, Slew Rate=0.6V/µs, Slew Rate-Nom=0.6V/µs, Supply Current=100uA, Technology=CMOS, Unity Gain Bandwidth Product=1MHz, Width=1.8mm
R1: library part CMP-1011-00082-1, "2K2 0.063W 5% 0402 (1005 Metric)  SMD", Case-EIA=0402, Case-Metric=1005, Power="0.063 W", Tolerance="5 %", Technology=SMT
R2: library part CMP-1018-00077-1, "1K3 1W 5% 2512 (6432 Metric)  SMD", Case-EIA=2512, Case-Metric=6432, Power="1 W", Tolerance="5 %", Technology=SMT
R3 R4: library part CMP-03211-001268-1, "RES SMD 10.7KΩ 0.1% 1/16W 0603", Manufacturer="TE Connectivity", Package=CPF0603, Power Rating=0.063W, Resistance=10.7KΩ, Temperature="-55°C to +155°C", Temperature Coefficient=25ppm/°C, Temperature Range High=+155°C, Temperature Range Low=-55°C, Tolerance=0.1%, Voltage Rating=50V, Automotive=No, Category=Res, ComponentLink2Description=Datasheet, ComponentLink2URL=https://www.te.com/commerce/DocumentDelivery/DDEController?Action=showdoc&DocId=Data+Sheet%7F1773200%7FM%7Fpdf%7FEnglish%7FENG_DS_1773200_M.pdf%7F3-1676481-2, Composition="Thin Film", Device Class L1="Passive Components", Device Class L2=Resistors, Device Class L3="Chip SMD Resistors", Height=0.55mm, Ipc Land Pattern Name=RESC15580X45, Lead Free=Yes, Manufacturer Part Number=CPF0603B10K7E, Octopart=https://octopart.com/cpf0603b10k7e-te+connectivity-22739310, octopart_url=https://octopart.com/cpf0603b10k7e-te+connectivity-22739310, Packaging="5k Reel", RoHS=TRUE, Series=CPF
R5 R8 RPU1 RPU2 RPU3 RPU4 RPU5 RPU6 RPU7 RPU8 RPU9 RPU10: library part CMP-009-00030-5, "Chip Resistor, 4.7 KOhm, +/- 1%, 0.1 W, -55 to 155 degC, 0402 (1005 Metric)", Case/Package=0402, Max Operating Temperature=155°C, Min Operating Temperature=-55°C, Power=100mW, Tolerance=1%, Voltage Rating=50V, Mounting Technology=SM, Pins=2, RoHS Compliant=True
R6: library part CMP-1013-00818-1, "523K 0.125W 1% 0805 (2012 Metric)  SMD", Case-EIA=0805, Case-Metric=2012, Power="0.125 W", Tolerance="1 %", Technology=SMT
R7: library part CMP-2005-00644-1, Manufacturer="Vishay Dale", Part Number=CRCW1210220RJNTA
R9 R11 R12: library part CMP-03412-040683-1, "RES 10kΩ 5.00% 0.2W 0603"
R10: library part CMP-1017-00609-1, "7K5 0.75W 1% 2010 (5025 Metric)  SMD", Case-EIA=2010, Case-Metric=5025, Power="0.75 W", Tolerance="1 %", Technology=SMT
R13 R15: library part CMP-26527-003782-1, "100Ω ±1% 0.5W 1206 High Power Anti-Sulfur Thin Film Chip Resistor", Case Code (Imperial)=1206, Case Code (Metric)=3216, Max Operating Temperature=155°C, Max Power Dissipation=500mW, Min Operating Temperature=-55°C, Resistance=100R, Resistor Type="Thin Film", Temperature Coefficient=100ppm/°C, Tolerance=1%, Case/Package=1206, Contact Plating=Tin, Features="Moisture Resistant", Height=0.024inch, Length=0.122inch, Mount="Surface Mount", Number of Terminations=2, Packaging="Tape and Reel", Radiation Hardening=No, RoHS Compliant=Yes, Series=RNCP, Width=0.059inch
R14: library part CMP-02407-007524-1, "RES Thick Film, 18kΩ, 1%, 1W, 100ppm/°C, 2512", Case/Package=2512, Power Rating=1W, Resistance=18000R, Tolerance=1%, Voltage Rating (DC)=500V, Height=600um, Lead Free="Lead Free", Length=6.3mm, Packaging="Tape and Reel", Width=3.15mm
R16: library part CMP-1011-00624-1, "10K2 0.063W 1% 0402 (1005 Metric)  SMD", Case-EIA=0402, Case-Metric=1005, Power="0.063 W", Tolerance="1 %", Technology=SMT
R17: library part CMP-04015-046600-1, "2kΩ ±1% 0.063W, 1/16W Chip Resistor 0402 (1005 Metric) Moisture Resistant Thin Film"
R18: library part CMP-1016-00498-1, "1K2 0.75W 1% 1812 (4532 Metric)  SMD", Case-EIA=1812, Case-Metric=4532, Power="0.75 W", Tolerance="1 %", Technology=SMT
R19: library part CMP-2005-00658-1, Manufacturer="Vishay Dale", Part Number=CRCW1210120RJNTA
"RELAY 1" "RELAY 2" "RELAY 3" "RELAY 4" "RELAY 5" "RELAY 6" "RELAY 7" "RELAY 8" "RELAY 9" "RELAY 10": library part CMP-08822-000152-1, "RELAY GEN PURPOSE SPST 10A 5V", Coil Current=79.4mA, Coil Power=400mW, Coil Resistance=63R, Coil Voltage (DC)=5V, Contact Current Rating=10A, Max Operating Temperature=85°C, Max Voltage Rating (AC)=250V, Max Voltage Rating (DC)=125V, Min Operating Temperature=-40°C, Package Quantity=500, Coil Type=Non-Latching, Contact Material=Tin, Height=19mm, Lead Free="Lead Free", Length=22.5mm, Max Current Rating=10A, Mount="Through Hole", Number of Pins=4, Operate Time=10ms, Packaging=Tray, Power Consumption=400mW, Power Rating=400mW, Relay Type="General Purpose", Release Time=5ms, RoHS Compliant=Yes, Termination=Solder, Throw Configuration=SPST, Weight=12g, Width=16.5mm
"RELAY DRIVER 1" "RELAY DRIVER 2": library part CMP-04912-000075-1, "MOSFET 7CH 16SOIC", Case/Package=SOIC, Collector Emitter Saturation Voltage=750mV, Collector Emitter Voltage (VCEO)=20V, Max Collector Current=140mA, Max Operating Temperature=85°C, Max Power Dissipation=860mW, Min Operating Temperature=-40°C, Output Voltage=16V, Package Quantity=1, Height=1.5mm, Lead Free="Lead Free", Length=10mm, Mount="Surface Mount", Number of Drivers=7, Number Of Outputs=7, Number of Pins=16, Output Current=140mA, Packaging="Tape and Reel", Power Dissipation=860mW, Radiation Hardening=No, REACH SVHC="No SVHC", RoHS Compliant=Yes, Series=-, Weight=0.004998oz, Width=4mm
SHUNT: library part CMP-07231-007405-1, "RES 0.05 OHM 1% 3W 2512"
SPI: library part CMP-1024-00383-1, "0.025\" SQ Post Header, Through-hole, Vertical, -55 to 125 degC, 2.54 mm Pitch, 6-Pin, Male, RoHS", Manufacturer=Samtec, Temperature Range="-55 to 125 degC", ComponentLink1Description="Manufacturer URL", ComponentLink1URL=http://www.samtec.com, ComponentLink2Description=Datasheet, ComponentLink2URL=http://www.samtec.com/documents/webfiles/pdf/TSW_TH.PDF, ComponentLink3Description="Package Specification", ComponentLink3URL=http://www.samtec.com/documents/webfiles/cpdf/TSW-XXX-XX-XXX-X-XX-XXX-MKT.pdf, DatasheetVersion=F-214, Mounting Technology=Through-hole, Orientation=Vertical, PackageDescription=".025[0.64] SQ. Post Terminal Strip Assembly", PackageReference=TSW-106-07-X-S, PackageVersion="DM, 8/1988", PartNumber=TSW-106-07-G-S, Pitch="2.54 mm", RoHS=True
"USB - C IN": library part CMP-245163-000004-1, "CONN RCPT TYPE C 6P SMD RA"
XT60: library part CMP-002-00073-1, "Plug; DC supply; XT60; male; PIN: 2; for cable; soldered; 30A; 500V", Case/Package=Package, Check_prices=https://www.snapeda.com/parts/XT60-M/AMASS/view-part/?ref=eda, Component Type=Standard, Design Item ID=XT60-M, MF=AMASS, MP=XT60-M, Pins=2, SnapEDA_Link=https://www.snapeda.com/parts/XT60-M/AMASS/view-part/?ref=snap, Source=XT60-M.SchLib

## Via types
v1: diameter 0.8, hole 0.4, Top Layer to Bottom Layer, tented both sides, 483 vias
v2: diameter 0.8, hole 0.4, Top Layer to Bottom Layer, 141 vias
v3: diameter 1.27, hole 0.6, Top Layer to Bottom Layer, 2 vias

## Nets (pads, with @x,y where several pads share a name; then routed paths per layer and width w, separated by ;. In a path a pad name is that pad's centre, name@x,y a point inside that pad or via, vN(x,y) a via of type N, cw(c..) or ccw(c..) an arc to the next point about the centre after c; other vN are vias at no path point)
3.3V: "3.3V LDO.5" C20.2 D11.1 MicroSD.4 | length 24.7
  Top Layer w0.22: 13.483,10.081 D11.1@13.483,10.504 13.483,12.29 18.795,17.602 20.93,17.602 v2(20.98,17.653) ; C20.2@23.194,21.773 23.244,21.773 24.784,20.233 25.663,20.233 25.713,20.183 25.713,18.465 ; v2(24.752,18.745) 24.801,18.696 25.482,18.696 25.713,18.465 ; MicroSD.4@25.713,15.9 25.713,18.465
  Bottom Layer w0.22: v2(20.98,17.653) 22.32,17.653 23.412,18.745 v2(24.752,18.745)
5V: "3.3V LDO.1" "3.3V LDO.3" "ARDUINO NANO.27" "I2C EXPANDER.24" "OA CC SINK.8" "OA I_SENSE.5" "OA UB 2.5" "RELAY 1.5" "RELAY 2.5" "RELAY 3.5" "RELAY 4.5" "RELAY 5.5" "RELAY 6.5" "RELAY 7.5" "RELAY 8.5" "RELAY 9.5" "RELAY 10.5" "RELAY DRIVER 1.9" "RELAY DRIVER 2.9" C2.2 C5.2 C6.1 C7.1 C8.1 C9.1 C12.1 C14.1 C15.1 C18.1 C19.1 D1.2 D2.2 D3.2 D4.2 D5.2 D6.2 D7.2 D8.2 D9.2 D10.2 DAC.1 FB1.2 I2C.2 L1.2 LCD.2 MUX.24 R1.2 R5.2 R6.2 R7.1 R8.2 R12.1 RPU1.2 RPU2.2 RPU3.2 RPU4.2 RPU5.2 RPU6.2 RPU7.2 RPU8.1 RPU9.1 RPU10.1 SPI.2 | length 242.4
  Top Layer w0.22: 28.263,20.233 29.703,20.233 v2(30.404,19.533) ; 28.263,22.133 28.433,22.133 28.653,22.353 28.653,22.523 29.332,23.203 v2(29.332,23.955)
  Top Layer w0.3: R1.2@51.13,29.608 51.18,29.608 52.406,30.834 52.406,31.273 v2(52.502,31.369) ; v2(52.121,45.364) 52.121,47.536 53.392,48.807 C12.1@53.442,48.807 53.442,49.657 53.965,50.18 54.426,50.18 54.479,50.233 MUX.24@54.479,50.871 ; RPU10.1@63.265,56.382 63.345,56.303 63.345,55.783 v2(64.436,54.692) 64.221,54.477 64.221,53.079 ; RPU9.1@64.821,59.027 64.821,60.715 65.29,61.185 67.485,61.185 ; RPU8.1@66.446,58.863 66.621,59.038 66.621,59.602 66.98,59.96 66.98,60.68 67.485,61.185 ; RPU7.2@67.888,58.863 RPU7.2@67.962,58.937 68.137,59.112 68.137,59.499 68.823,60.185 68.823,61.185 ; RPU6.2@69.8,58.907 70.695,59.802 70.695,61.185 ; v2(71.374,62.509) 72.06,61.824 72.06,61.185 ; RPU5.2@71.986,59.164 RPU5.2@71.986,59.238 71.986,60.729 71.53,61.185 ; RPU4.2@74.031,58.937 74.031,61.185 ; RPU3.2@75.961,58.863 RPU3.2@75.961,58.937 75.961,60.802 76.345,61.185 ; 77.845,49.677 77.845,50.027 77.895,50.077 79.785,50.077 80.287,50.58 80.287,52.708 80.566,52.987 C18.1@81.557,52.987 81.557,54.481 v2(82.279,55.203) ; RPU2.2@77.9,58.863 RPU2.2@77.9,58.937 77.9,60.651 78.433,61.185 ; RPU1.2@80.522,58.847 80.975,59.3 80.975,60.731 80.522,61.185 78.433,61.185 ; C8.1@138.43,10.408 138.43,11.278 139.244,12.091 139.244,13.031 v2(139.268,13.056) ; C9.1@140.995,10.408 140.995,11.302 142.773,13.08 ; C7.1@143.933,10.408 143.933,11.601 145.412,13.08 ; C6.1@146.484,10.408 146.484,11.497 148.067,13.08 148.067,17.598 149.248,18.779 R6.2@149.248,19.004 ; 167.396,130.937 167.396,132.26 167.869,132.732 v2(167.869,132.867) 167.869,133.782 168.478,134.391 169.887,134.391 C14.1@169.989,134.29 ; 67.485,61.185 68.823,61.185 ; 68.823,61.185 70.695,61.185 ; 70.695,61.185 71.53,61.185 ; 71.53,61.185 72.06,61.185 ; 72.06,61.185 74.031,61.185 ; 74.031,61.185 76.345,61.185 ; 76.345,61.185 78.433,61.185
  Top Layer w0.8: v2(97.46,48.939) 98.124,48.275 R7.1@98.124,46.459 ; FB1.2@166.824,8.205 170.342,8.205 170.7,7.848 C2.2@170.7,7.798
  Top Layer w1.25: D1.2@132.835,63.672 132.835,60.535 v2(132.944,60.427) ; D4.2@133.318,134.03 133.529,134.03 133.754,133.805 133.754,131.305 v2(134.671,130.389) ; D2.2@133.369,88.209 133.769,88.209 133.994,87.984 133.994,85.894 v2(134.976,84.912) ; D3.2@133.419,111.246 133.419,109.252 v2(134.874,107.798) ; D5.2@133.419,156.763 133.419,154.718 v2(134.239,153.899) ; v2(134.874,123.192) 135.874,122.192 144.064,122.192 ; v2(136.779,167.792) 137.53,168.543 144.064,168.543 ; 142.773,13.08 142.821,13.128 C5.2@142.821,17.963 ; 143.48,75.994 143.48,80.361 v2(143.51,80.391) ; 143.962,145.92 144.106,146.063 144.106,148.271 v2(145.415,149.581) ; 144.013,99.082 144.07,99.14 144.07,101.957 v2(145.263,103.149)
  Top Layer w1.8: v2(162.865,7.747) 163.273,8.155 166.774,8.155 FB1.2@166.824,8.205
  Top Layer w2: v2@139.293,13.08 142.773,13.08 145.412,13.08 148.067,13.08 L1.2@149.65,13.08
  Bottom Layer w0.22: C19.1@6.897,124.841 7.622,124.841 8.072,124.391 v2(8.072,122.961) ; v2(25.756,34.061) 25.859,34.164 26.486,34.164 R5.2@28.245,35.924 ; 37.021,36.424 39.116,36.424 39.992,37.3 39.992,39.294 ; v2(65.151,18.974) 65.866,19.689 R12.1@67.275,19.689 ; v2(70.184,17.272) 70.341,17.272 70.534,17.079 DAC.1@71.648,17.079 ; v2@74.26,6.617 v2(74.371,6.506) 74.371,6.663 74.746,7.038 74.746,7.854 75.036,8.144 C15.1@75.086,8.144 ; 86.247,14.116 86.288,14.157 87.061,14.157 87.573,14.669 87.573,17.068 v2(86.895,17.746) ; 88.306,11.647 88.306,12.309 v2(89.408,13.411)
  Bottom Layer w0.3: v2(8.072,122.961) 8.89,122.143 8.89,120.902 8.847,120.858 8.847,120.752
  Bottom Layer w1.25: 29.989,76.093 29.989,76.296 31.445,77.752 v2(31.445,79.261) ; 29.989,101.021 35.87,101.021 v2(36.627,101.778) ; 29.989,122.373 30.133,122.516 30.133,125.179 v2(31.09,126.136) ; 29.989,146.248 30.133,146.392 30.133,148.928 v2(31.115,149.911) ; 29.989,168.342 36.465,168.342 v2(37.821,169.697) ; v2(38.159,62.224) 39.427,62.224 40.159,61.492 D6.2@40.159,59.444 ; v2(38.786,87.565) 40.252,86.098 D7.2@40.252,83.718 ; v2(38.786,109.373) 39.091,109.373 40.786,107.678 D8.2@40.786,105.664 ; v2(39.7,131.902) 40.735,130.867 D9.2@40.735,128.448 ; v2(39.751,154.483) 40.659,153.575 D10.2@40.659,151.46